# Altium PCB EDA-03517-V2-0_pcb.pcbdoc (part 3 of 5)
Units mm, origin at the board's own origin, x right, y up, seen from the top; angles counter-clockwise.
Board outline 220 x 264 mm, 8 copper layers (Top Layer, L2, L3, L4, L5, L6, L7, Bottom Layer), stack 2.18 mm thick; 439 components, 290 nets, 1011 pads, 273 vias.
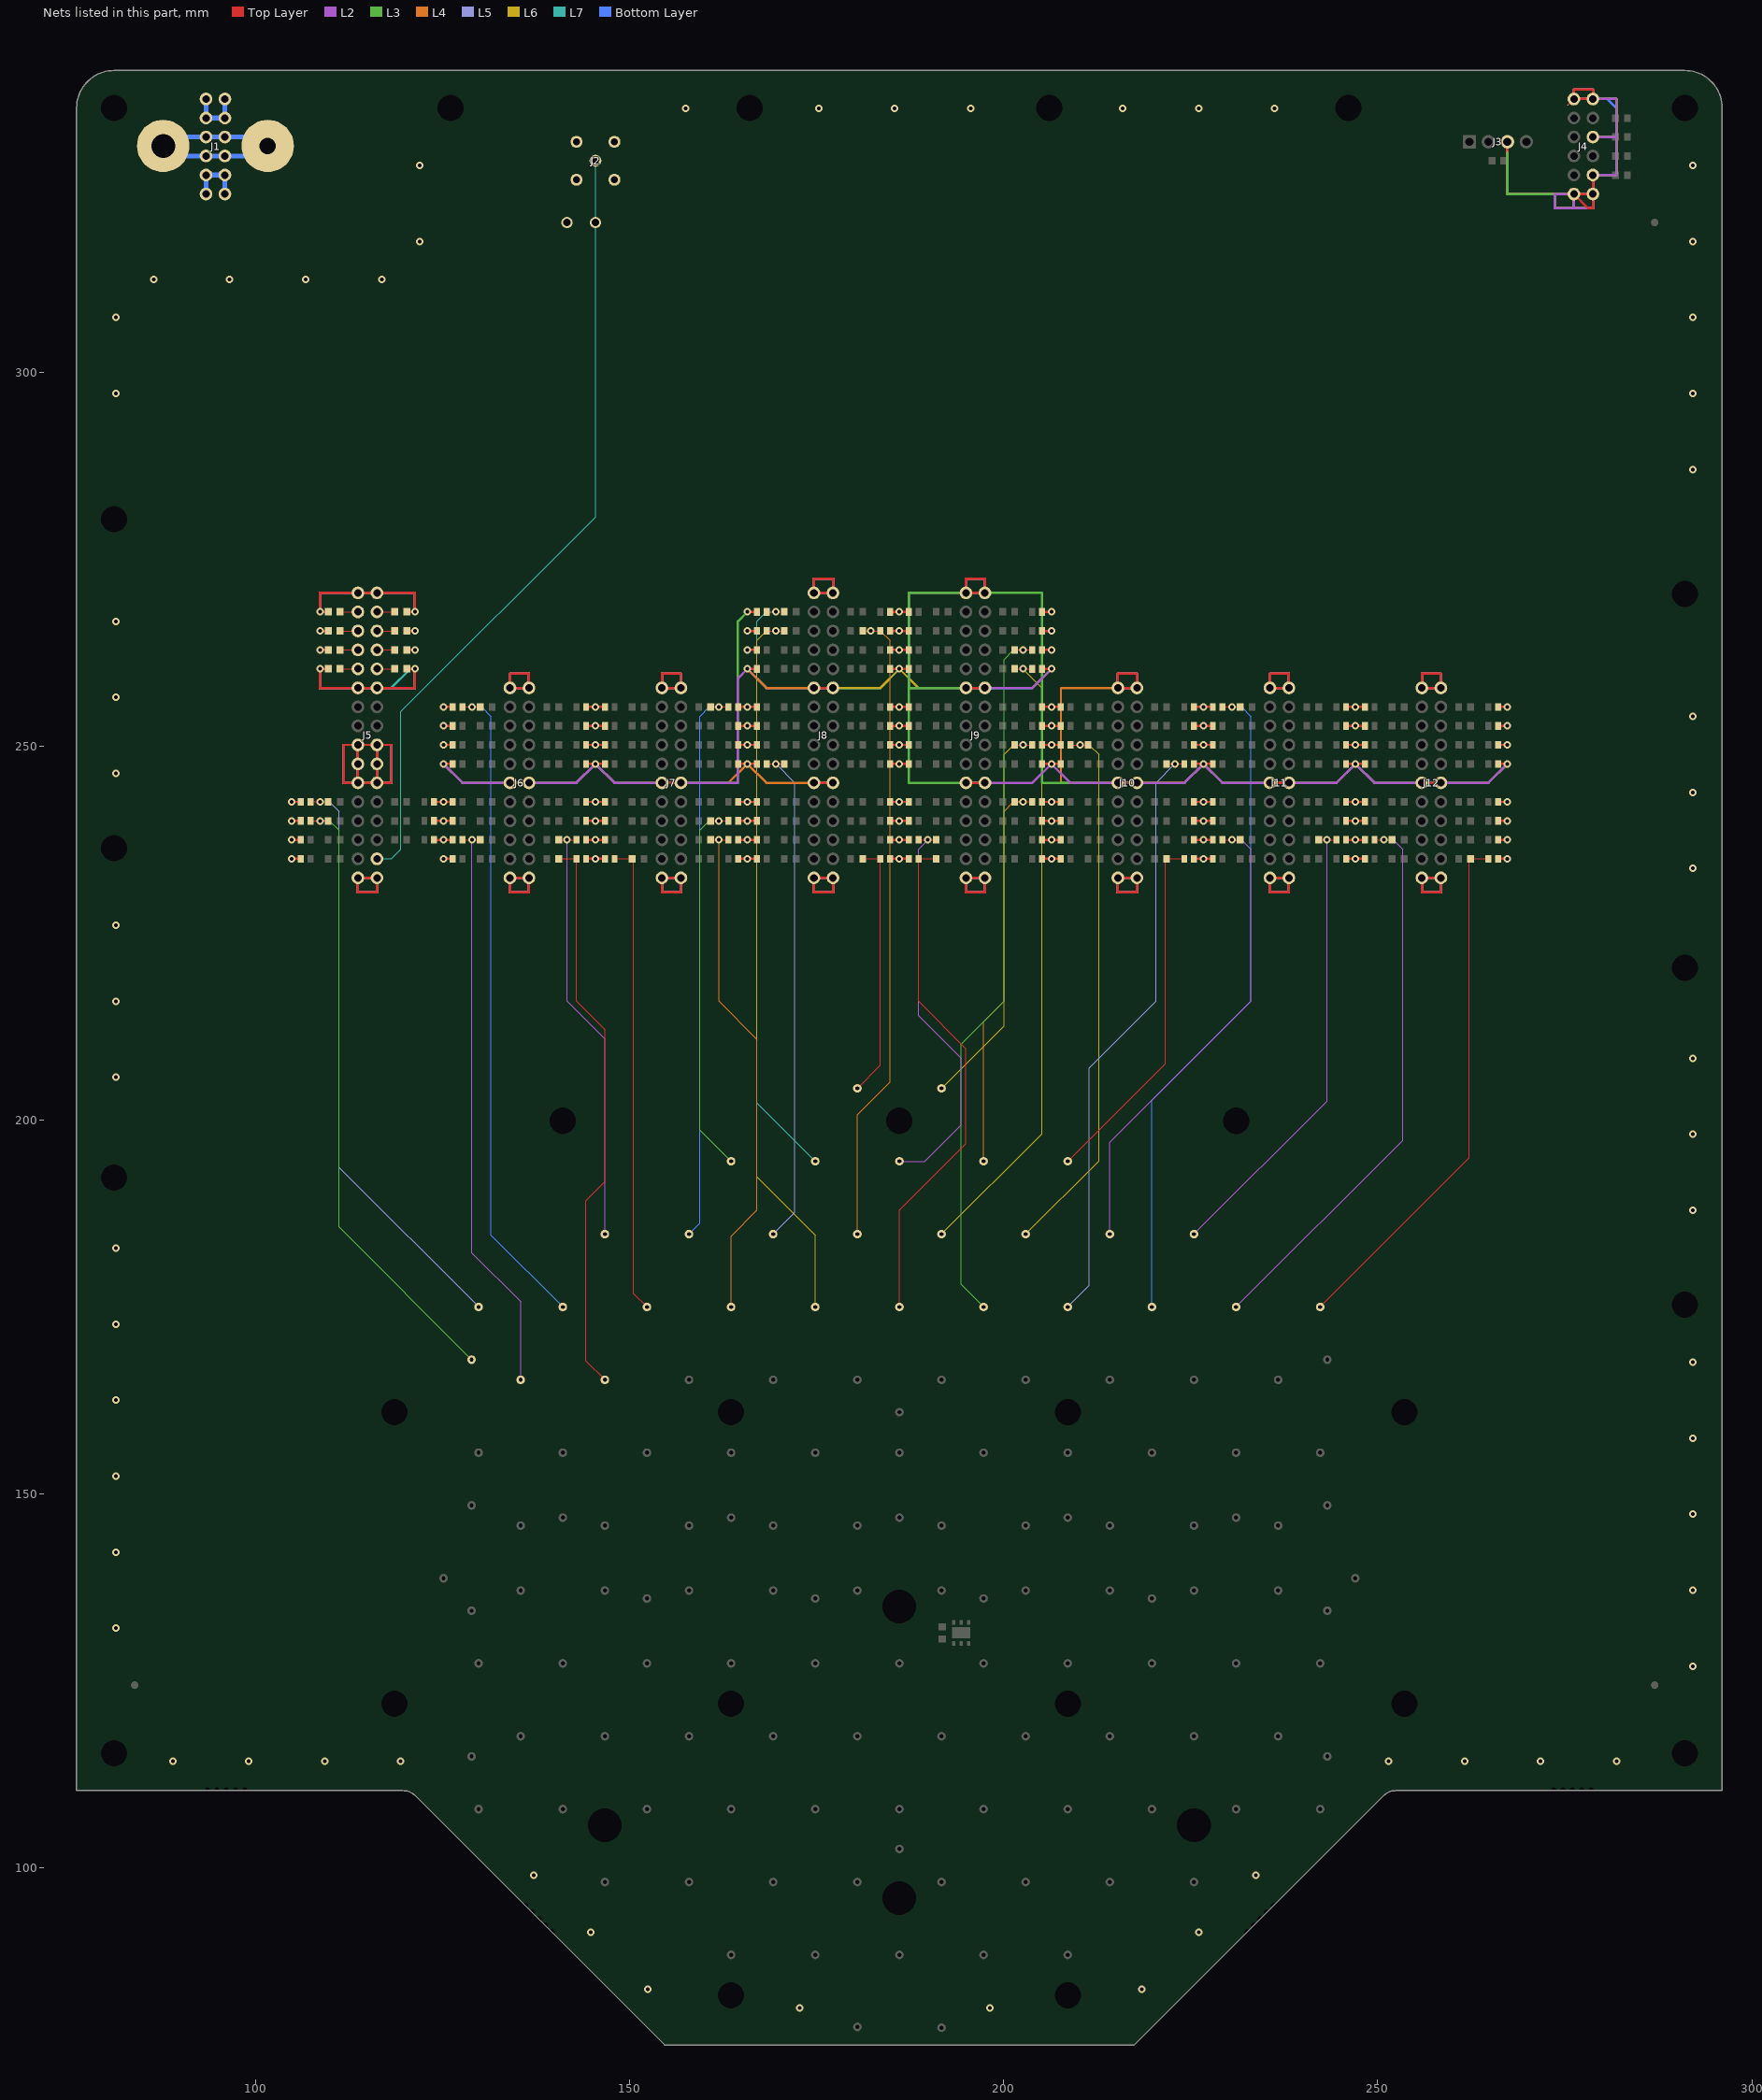
[diagram p9: the nets of this part, all layers, seen from the top]

## Via types
v1: diameter 1, hole 0.5, Top Layer to Bottom Layer, tented both sides, 273 vias

## Nets (pads, with @x,y where several pads share a name; then routed paths per layer and width w, separated by ;. In a path a pad name is that pad's centre, name@x,y a point inside that pad or via, vN(x,y) a via of type N, cw(c..) or ccw(c..) an arc to the next point about the centre after c; other vN are vias at no path point) (continued)
GND: B2.1 C2.2 C3.2 C4.2 C5.2 C6.2 C7.2 C8.2 C9.2 J2.2 J3.3 J4.1 J4.2 J4.3 J4.7 J4.11 J4.12 J5.1 J5.2 J5.11 J5.12 J5.13 J5.14 J5.15 J5.16 J5.21 J5.22 J5.31 J5.32 J6.1 J6.2 J6.11 J6.12 J6.21 J6.22 J7.1 J7.2 J7.11 J7.12 J7.21 J7.22 J8.1 J8.2 J8.11 J8.12 J8.21 J8.22 J8.31 J8.32 J9.1 J9.2 J9.11 J9.12 J9.21 J9.22 J9.31 J9.32 J10.1 J10.2 J10.11 J10.12 J10.21 J10.22 J11.1 J11.2 J11.11 J11.12 J11.21 J11.22 J12.1 J12.2 J12.11 J12.12 J12.21 J12.22 NT1.1 NT2.1 RB1.2 RB2.2 RB3.2 RB4.2 RB5.2 RB6.2 RB7.2 RB8.2 RB9.2 RB10.2 RB11.2 RB12.2 RB13.2 RB14.2 RB15.2 RB16.2 RB17.2 RB18.2 RB19.2 RB20.2 RB21.2 RB22.2 RB23.2 RB24.2 RB25.2 RB26.2 RB27.2 RB28.2 RB29.2 RB30.2 RB31.2 RB32.2 RB33.2 RB34.2 RB35.2 RB36.2 RB37.2 RB38.2 RB39.2 RB40.2 RB41.2 RB42.2 RB43.2 RB44.2 RB45.2 RB46.2 RB47.2 RB48.2 RB49.2 RB50.2 RB51.2 RB52.2 RB53.2 RB54.2 RB55.2 RB56.2 RB57.2 RB58.2 RB59.2 RB60.2 RB61.2 RB62.2 RB63.2 RB64.2 RB65.2 RB66.2 RB67.2 RB68.2 RB69.2 RB70.2 RB71.2 RB72.2 RB73.2 RB74.2 RB75.2 RB76.2 RB77.2 RB78.2 RB79.2 RB80.2 RB81.2 RB82.2 RB83.2 RB84.2 RB85.2 RB86.2 RB87.2 RB88.2 RB89.2 RB90.2 RB91.2 RB92.2 RB93.2 RB94.2 RB95.2 RB96.2 RB97.2 RB98.2 RB99.2 RB100.2 RB101.2 RB102.2 RB103.2 RB104.2 RB105.2 RB106.2 RB107.2 RB108.2 RB109.2 RB110.2 RB111.2 RB112.2 RB113.2 RB114.2 RB115.2 RB116.2 RB117.2 RB118.2 RB119.2 RB120.2 RB121.2 RB122.2 RB123.2 RB124.2 RB125.2 RB126.2 RB127.2 RB128.2 RB129.2 RB130.2 RB131.2 RB132.2 RB133.2 RB134.2 RB135.2 | length 2863.4
  Top Layer w0.152: NT1.1@275.41,335.735 J4.12@276.225,336.55
  Top Layer w0.305: v1(104.775,234.95) RB121.2@106.03,234.95 ; v1(104.775,237.49) RB105.2@106.03,237.49 ; v1(104.775,240.03) RB89.2@106.03,240.03 ; v1(104.775,242.57) RB73.2@106.03,242.57 ; v1(108.585,262.89) C6.2@109.69,262.89 ; v1(108.585,265.43) C4.2@109.69,265.43 ; C8.2@109.69,260.35 v1(108.585,260.35) 108.585,257.81 J5.22@113.665,257.81 J5.21@116.205,257.81 121.285,257.81 v1(121.285,260.35) C9.2@120.18,260.35 ; C2.2@109.69,267.97 v1(108.585,267.97) 108.585,270.51 J5.32@113.665,270.51 J5.31@116.205,270.51 121.285,270.51 v1(121.285,267.97) C3.2@120.18,267.97 ; C7.2@120.18,262.89 v1(121.285,262.89) ; C5.2@120.18,265.43 v1(121.285,265.43) ; RB106.2@123.84,237.49 v1(125.095,237.49) RB112.2@126.35,237.49 ; RB90.2@123.84,240.03 v1(125.095,240.03) RB96.2@126.35,240.03 ; RB74.2@123.84,242.57 v1(125.095,242.57) RB80.2@126.35,242.57 ; v1(125.095,234.95) RB127.2@126.35,234.95 ; v1(125.095,247.65) RB59.2@126.35,247.65 ; v1(125.095,250.19) RB45.2@126.35,250.19 ; v1(125.095,252.73) RB31.2@126.35,252.73 ; v1(125.095,255.27) RB17.2@126.35,255.27 ; J6.12@133.985,245.11 J6.11@136.525,245.11 ; RB122.2@144.16,234.95 v1(145.415,234.95) RB123.2@146.67,234.95 ; RB107.2@144.16,237.49 v1(145.415,237.49) RB108.2@146.67,237.49 ; RB91.2@144.16,240.03 v1(145.415,240.03) RB92.2@146.67,240.03 ; RB75.2@144.16,242.57 v1(145.415,242.57) RB76.2@146.67,242.57 ; RB60.2@144.16,247.65 v1(145.415,247.65) RB61.2@146.67,247.65 ; RB46.2@144.16,250.19 v1(145.415,250.19) RB47.2@146.67,250.19 ; RB32.2@144.16,252.73 v1(145.415,252.73) RB33.2@146.67,252.73 ; RB18.2@144.16,255.27 v1(145.415,255.27) RB19.2@146.67,255.27 ; J7.12@154.305,245.11 J7.11@156.845,245.11 ; RB128.2@164.48,234.95 v1(165.735,234.95) RB124.2@166.99,234.95 ; RB113.2@164.48,237.49 v1(165.735,237.49) RB109.2@166.99,237.49 ; RB97.2@164.48,240.03 v1(165.735,240.03) RB93.2@166.99,240.03 ; RB81.2@164.48,242.57 v1(165.735,242.57) RB77.2@166.99,242.57 ; RB62.2@164.48,247.65 v1(165.735,247.65) RB63.2@166.99,247.65 ; RB48.2@164.48,250.19 v1(165.735,250.19) RB49.2@166.99,250.19 ; RB34.2@164.48,252.73 v1(165.735,252.73) RB35.2@166.99,252.73 ; RB20.2@164.48,255.27 v1(165.735,255.27) RB21.2@166.99,255.27 ; v1(165.735,260.35) RB13.2@166.99,260.35 ; v1(165.735,262.89) RB9.2@166.99,262.89 ; v1(165.735,265.43) RB5.2@166.99,265.43 ; v1(165.735,267.97) RB1.2@166.99,267.97 ; J8.12@174.625,245.11 J8.11@177.165,245.11 ; J8.22@174.625,257.81 J8.21@177.165,257.81 ; RB125.2@184.8,234.95 v1(186.055,234.95) RB129.2@187.31,234.95 ; RB110.2@184.8,237.49 v1(186.055,237.49) RB114.2@187.31,237.49 ; RB94.2@184.8,240.03 v1(186.055,240.03) RB98.2@187.31,240.03 ; RB78.2@184.8,242.57 v1(186.055,242.57) RB82.2@187.31,242.57 ; RB64.2@184.8,247.65 v1(186.055,247.65) RB66.2@187.31,247.65 ; RB50.2@184.8,250.19 v1(186.055,250.19) RB52.2@187.31,250.19 ; RB36.2@184.8,252.73 v1(186.055,252.73) RB38.2@187.31,252.73 ; RB22.2@184.8,255.27 v1(186.055,255.27) RB24.2@187.31,255.27 ; RB14.2@184.8,260.35 v1(186.055,260.35) RB16.2@187.31,260.35 ; RB10.2@184.8,262.89 v1(186.055,262.89) RB12.2@187.31,262.89 ; RB6.2@184.8,265.43 v1(186.055,265.43) RB8.2@187.31,265.43 ; RB2.2@184.8,267.97 v1(186.055,267.97) RB4.2@187.31,267.97 ; J9.12@194.945,245.11 J9.11@197.485,245.11 ; J9.22@194.945,257.81 J9.21@197.485,257.81 ; RB126.2@205.12,234.95 v1(206.375,234.95) RB130.2@207.63,234.95 ; RB111.2@205.12,237.49 v1(206.375,237.49) RB115.2@207.63,237.49 ; RB95.2@205.12,240.03 v1(206.375,240.03) RB99.2@207.63,240.03 ; RB79.2@205.12,242.57 v1(206.375,242.57) RB83.2@207.63,242.57 ; RB65.2@205.12,247.65 v1(206.375,247.65) RB67.2@207.63,247.65 ; RB51.2@205.12,250.19 v1(206.375,250.19) RB53.2@207.63,250.19 ; RB37.2@205.12,252.73 v1(206.375,252.73) RB39.2@207.63,252.73 ; RB23.2@205.12,255.27 v1(206.375,255.27) RB25.2@207.63,255.27 ; RB15.2@205.12,260.35 v1(206.375,260.35) ; RB11.2@205.12,262.89 v1(206.375,262.89) ; RB7.2@205.12,265.43 v1(206.375,265.43) ; RB3.2@205.12,267.97 v1(206.375,267.97) ; J10.12@215.265,245.11 J10.11@217.805,245.11 ; RB131.2@225.44,234.95 v1(226.695,234.95) RB132.2@227.95,234.95 ; RB116.2@225.44,237.49 v1(226.695,237.49) RB117.2@227.95,237.49 ; RB100.2@225.44,240.03 v1(226.695,240.03) RB101.2@227.95,240.03 ; RB84.2@225.44,242.57 v1(226.695,242.57) RB85.2@227.95,242.57 ; RB68.2@225.44,247.65 RB69.2@227.95,247.65 ; RB54.2@225.44,250.19 RB55.2@227.95,250.19 ; RB40.2@225.44,252.73 v1(226.695,252.73) RB41.2@227.95,252.73 ; RB26.2@225.44,255.27 v1(226.695,255.27) RB27.2@227.95,255.27 ; J11.12@235.585,245.11 J11.11@238.125,245.11 ; RB118.2@245.76,237.49 v1(247.015,237.49) RB119.2@248.27,237.49 ; RB102.2@245.76,240.03 v1(247.015,240.03) RB103.2@248.27,240.03 ; RB86.2@245.76,242.57 v1(247.015,242.57) RB87.2@248.27,242.57 ; RB70.2@245.76,247.65 v1(247.015,247.65) RB71.2@248.27,247.65 ; RB56.2@245.76,250.19 v1(247.015,250.19) RB57.2@248.27,250.19 ; RB42.2@245.76,252.73 v1(247.015,252.73) RB43.2@248.27,252.73 ; RB28.2@245.76,255.27 v1(247.015,255.27) RB29.2@248.27,255.27 ; RB133.2@245.775,234.95 v1(247.015,234.95) RB134.2@248.27,234.95 ; J12.12@255.905,245.11 J12.11@258.445,245.11 ; RB135.2@266.08,234.95 v1(267.335,234.95) ; RB120.2@266.08,237.49 v1(267.335,237.49) ; RB104.2@266.08,240.03 v1(267.335,240.03) ; RB88.2@266.08,242.57 v1(267.335,242.57) ; RB72.2@266.08,247.65 v1(267.335,247.65) ; RB58.2@266.08,250.19 v1(267.335,250.19) ; RB44.2@266.08,252.73 v1(267.335,252.73) ; RB30.2@266.08,255.27 v1(267.335,255.27) ; NT2.1@267.335,329.565 J3.3@267.335,330.835 ; J4.3@278.765,326.39 J4.1@278.765,323.85 ; J5.12@113.665,245.11 J5.14@113.665,247.65 J5.16@113.665,250.19 ; J5.12@113.665,245.11 111.76,245.11 111.76,250.19 J5.16@113.665,250.19 ; J5.12@113.665,245.11 J5.11@116.205,245.11 ; J5.16@113.665,250.19 J5.15@116.205,250.19 ; J5.11@116.205,245.11 J5.13@116.205,247.65 J5.15@116.205,250.19 ; J5.11@116.205,245.11 118.11,245.11 118.11,250.19 J5.15@116.205,250.19 ; J4.1@278.765,323.85 278.765,321.945 278.13,321.945 J4.2@276.225,323.85 J4.1@278.765,323.85 ; 113.665,230.505 116.205,230.505 J5.1@116.205,232.41 J5.2@113.665,232.41 113.665,230.505 ; 133.985,230.505 136.525,230.505 J6.1@136.525,232.41 J6.2@133.985,232.41 133.985,230.505 ; J6.22@133.985,257.81 133.985,259.715 136.525,259.715 J6.21@136.525,257.81 J6.22@133.985,257.81 ; 154.305,230.505 156.845,230.505 J7.1@156.845,232.41 J7.2@154.305,232.41 154.305,230.505 ; J7.22@154.305,257.81 154.305,259.715 156.845,259.715 J7.21@156.845,257.81 J7.22@154.305,257.81 ; 174.625,230.505 177.165,230.505 J8.1@177.165,232.41 J8.2@174.625,232.41 174.625,230.505 ; J8.32@174.625,270.51 174.625,272.415 177.165,272.415 J8.31@177.165,270.51 J8.32@174.625,270.51 ; 194.945,230.505 197.485,230.505 J9.1@197.485,232.41 J9.2@194.945,232.41 194.945,230.505 ; J9.32@194.945,270.51 194.945,272.415 197.485,272.415 J9.31@197.485,270.51 J9.32@194.945,270.51 ; 215.265,230.505 217.805,230.505 J10.1@217.805,232.41 J10.2@215.265,232.41 215.265,230.505 ; J10.22@215.265,257.81 215.265,259.715 217.805,259.715 J10.21@217.805,257.81 J10.22@215.265,257.81 ; 235.585,230.505 238.125,230.505 J11.1@238.125,232.41 J11.2@235.585,232.41 235.585,230.505 ; J11.22@235.585,257.81 235.585,259.715 238.125,259.715 J11.21@238.125,257.81 J11.22@235.585,257.81 ; 255.905,230.505 258.445,230.505 J12.1@258.445,232.41 J12.2@255.905,232.41 255.905,230.505 ; J12.22@255.905,257.81 255.905,259.715 258.445,259.715 J12.21@258.445,257.81 J12.22@255.905,257.81 ; J4.12@276.225,336.55 276.225,337.82 278.765,337.82 J4.11@278.765,336.55 J4.12@276.225,336.55
  L2 w0.305: v1(108.585,260.35) 108.585,257.81 J5.22@113.665,257.81 J5.21@116.205,257.81 121.285,257.81 v1(121.285,260.35) ; v1(108.585,267.97) 108.585,270.51 J5.32@113.665,270.51 J5.31@116.205,270.51 121.285,270.51 v1(121.285,267.97) ; v1(125.095,247.65) 127.635,245.11 142.875,245.11 v1(145.415,247.65) 147.955,245.11 J7.12@154.305,245.11 J7.11@156.845,245.11 164.465,245.11 164.465,259.08 v1(165.735,260.35) ; J8.12@174.625,245.11 J8.11@177.165,245.11 ; J8.22@174.625,257.81 J8.21@177.165,257.81 ; J9.12@194.945,245.11 203.835,245.11 v1(206.375,247.65) 208.915,245.11 224.155,245.11 v1(226.695,247.65) 229.235,245.11 J11.12@235.585,245.11 J11.11@238.125,245.11 244.475,245.11 v1(247.015,247.65) 249.555,245.11 J12.12@255.905,245.11 J12.11@258.445,245.11 264.795,245.11 v1(267.335,247.65) ; J9.22@194.945,257.81 203.835,257.81 v1(206.375,260.35) ; J4.7@278.765,331.47 281.94,331.47 ; J5.12@113.665,245.11 111.76,245.11 111.76,250.19 J5.16@113.665,250.19 ; J5.12@113.665,245.11 J5.14@113.665,247.65 J5.16@113.665,250.19 ; J5.12@113.665,245.11 J5.11@116.205,245.11 ; J5.16@113.665,250.19 J5.15@116.205,250.19 ; J5.11@116.205,245.11 118.11,245.11 118.11,250.19 J5.15@116.205,250.19 ; J5.11@116.205,245.11 J5.13@116.205,247.65 J5.15@116.205,250.19 ; 276.225,321.945 273.685,321.945 273.685,323.85 J4.2@276.225,323.85 ; 276.225,321.945 278.765,321.945 J4.1@278.765,323.85 ; 276.225,321.945 J4.2@276.225,323.85 ; J4.2@276.225,323.85 J4.1@278.765,323.85 ; J4.1@278.765,323.85 J4.3@278.765,326.39 281.94,326.39 281.94,331.47 ; J4.11@278.765,336.55 281.94,336.55 281.94,331.47 ; J4.11@278.765,336.55 278.765,337.82 276.225,337.82 J4.12@276.225,336.55 J4.11@278.765,336.55 ; 113.665,230.505 116.205,230.505 J5.1@116.205,232.41 J5.2@113.665,232.41 113.665,230.505 ; 133.985,230.505 136.525,230.505 J6.1@136.525,232.41 J6.2@133.985,232.41 133.985,230.505 ; J6.22@133.985,257.81 133.985,259.715 136.525,259.715 J6.21@136.525,257.81 J6.22@133.985,257.81 ; 154.305,230.505 156.845,230.505 J7.1@156.845,232.41 J7.2@154.305,232.41 154.305,230.505 ; J7.22@154.305,257.81 154.305,259.715 156.845,259.715 J7.21@156.845,257.81 J7.22@154.305,257.81 ; 174.625,230.505 177.165,230.505 J8.1@177.165,232.41 J8.2@174.625,232.41 174.625,230.505 ; J8.32@174.625,270.51 174.625,272.415 177.165,272.415 J8.31@177.165,270.51 J8.32@174.625,270.51 ; 194.945,230.505 197.485,230.505 J9.1@197.485,232.41 J9.2@194.945,232.41 194.945,230.505 ; J9.32@194.945,270.51 194.945,272.415 197.485,272.415 J9.31@197.485,270.51 J9.32@194.945,270.51 ; 215.265,230.505 217.805,230.505 J10.1@217.805,232.41 J10.2@215.265,232.41 215.265,230.505 ; J10.22@215.265,257.81 215.265,259.715 217.805,259.715 J10.21@217.805,257.81 J10.22@215.265,257.81 ; 235.585,230.505 238.125,230.505 J11.1@238.125,232.41 J11.2@235.585,232.41 235.585,230.505 ; J11.22@235.585,257.81 235.585,259.715 238.125,259.715 J11.21@238.125,257.81 J11.22@235.585,257.81 ; 255.905,230.505 258.445,230.505 J12.1@258.445,232.41 J12.2@255.905,232.41 255.905,230.505 ; J12.22@255.905,257.81 255.905,259.715 258.445,259.715 J12.21@258.445,257.81 J12.22@255.905,257.81
  L3 w0.305: v1(108.585,260.35) 108.585,257.81 J5.22@113.665,257.81 J5.21@116.205,257.81 121.285,257.81 v1(121.285,260.35) ; v1(108.585,267.97) 108.585,270.51 J5.32@113.665,270.51 J5.31@116.205,270.51 121.285,270.51 v1(121.285,267.97) ; v1(125.095,247.65) 127.635,245.11 142.875,245.11 v1(145.415,247.65) 147.955,245.11 J7.12@154.305,245.11 J7.11@156.845,245.11 164.465,245.11 164.465,266.7 v1(165.735,267.97) ; J8.12@174.625,245.11 J8.11@177.165,245.11 ; J8.22@174.625,257.81 J8.21@177.165,257.81 ; J9.11@197.485,245.11 187.325,245.11 187.325,257.81 ; J9.21@197.485,257.81 J9.22@194.945,257.81 187.325,257.81 ; J10.11@217.805,245.11 J10.12@215.265,245.11 205.105,245.11 205.105,270.51 J9.31@197.485,270.51 ; v1(226.695,247.65) 229.235,245.11 J11.12@235.585,245.11 J11.11@238.125,245.11 244.475,245.11 v1(247.015,247.65) 249.555,245.11 J12.12@255.905,245.11 J12.11@258.445,245.11 264.795,245.11 v1(267.335,247.65) ; J3.3@267.335,330.835 267.335,323.85 273.685,323.85 ; J4.7@278.765,331.47 281.94,331.47 ; J5.12@113.665,245.11 J5.11@116.205,245.11 ; J5.12@113.665,245.11 J5.14@113.665,247.65 J5.16@113.665,250.19 ; J5.12@113.665,245.11 111.76,245.11 111.76,250.19 J5.16@113.665,250.19 ; J5.16@113.665,250.19 J5.15@116.205,250.19 ; J5.11@116.205,245.11 118.11,245.11 118.11,250.19 J5.15@116.205,250.19 ; J5.11@116.205,245.11 J5.13@116.205,247.65 J5.15@116.205,250.19 ; 187.325,257.81 187.325,270.51 J9.32@194.945,270.51 ; J9.32@194.945,270.51 J9.31@197.485,270.51 ; J9.32@194.945,270.51 194.945,272.415 197.485,272.415 J9.31@197.485,270.51 ; 273.685,323.85 J4.2@276.225,323.85 ; 273.685,323.85 273.685,321.945 276.225,321.945 ; 276.225,321.945 J4.2@276.225,323.85 ; 276.225,321.945 278.765,321.945 J4.1@278.765,323.85 ; J4.2@276.225,323.85 J4.1@278.765,323.85 ; J4.1@278.765,323.85 J4.3@278.765,326.39 281.94,326.39 281.94,331.47 ; J4.11@278.765,336.55 278.765,337.82 276.225,337.82 J4.12@276.225,336.55 J4.11@278.765,336.55 ; J4.11@278.765,336.55 281.94,336.55 281.94,331.47 ; 113.665,230.505 116.205,230.505 J5.1@116.205,232.41 J5.2@113.665,232.41 113.665,230.505 ; 133.985,230.505 136.525,230.505 J6.1@136.525,232.41 J6.2@133.985,232.41 133.985,230.505 ; J6.22@133.985,257.81 J6.21@136.525,257.81 136.525,259.715 133.985,259.715 J6.22@133.985,257.81 ; 154.305,230.505 156.845,230.505 J7.1@156.845,232.41 J7.2@154.305,232.41 154.305,230.505 ; J7.22@154.305,257.81 J7.21@156.845,257.81 156.845,259.715 154.305,259.715 J7.22@154.305,257.81 ; 174.625,230.505 177.165,230.505 J8.1@177.165,232.41 J8.2@174.625,232.41 174.625,230.505 ; J8.32@174.625,270.51 J8.31@177.165,270.51 177.165,272.415 174.625,272.415 J8.32@174.625,270.51 ; 194.945,230.505 197.485,230.505 J9.1@197.485,232.41 J9.2@194.945,232.41 194.945,230.505 ; 215.265,230.505 217.805,230.505 J10.1@217.805,232.41 J10.2@215.265,232.41 215.265,230.505 ; J10.22@215.265,257.81 J10.21@217.805,257.81 217.805,259.715 215.265,259.715 J10.22@215.265,257.81 ; 235.585,230.505 238.125,230.505 J11.1@238.125,232.41 J11.2@235.585,232.41 235.585,230.505 ; J11.22@235.585,257.81 J11.21@238.125,257.81 238.125,259.715 235.585,259.715 J11.22@235.585,257.81 ; 255.905,230.505 258.445,230.505 J12.1@258.445,232.41 J12.2@255.905,232.41 255.905,230.505 ; J12.22@255.905,257.81 J12.21@258.445,257.81 258.445,259.715 255.905,259.715 J12.22@255.905,257.81
  L4 w0.305: v1(108.585,260.35) 108.585,257.81 J5.22@113.665,257.81 J5.21@116.205,257.81 121.285,257.81 v1(121.285,260.35) ; v1(108.585,267.97) 108.585,270.51 J5.32@113.665,270.51 J5.31@116.205,270.51 121.285,270.51 v1(121.285,267.97) ; v1(125.095,247.65) 127.635,245.11 J6.12@133.985,245.11 J6.11@136.525,245.11 142.875,245.11 v1(145.415,247.65) 147.955,245.11 J7.12@154.305,245.11 J7.11@156.845,245.11 163.195,245.11 v1(165.735,247.65) 168.275,245.11 J8.12@174.625,245.11 J8.11@177.165,245.11 ; v1(165.735,260.35) 168.275,257.81 J8.22@174.625,257.81 J8.21@177.165,257.81 ; J9.22@194.945,257.81 J9.21@197.485,257.81 ; v1(267.335,247.65) 264.795,245.11 J12.11@258.445,245.11 J12.12@255.905,245.11 249.555,245.11 v1(247.015,247.65) 244.475,245.11 J11.11@238.125,245.11 J11.12@235.585,245.11 229.235,245.11 v1(226.695,247.65) 224.155,245.11 J10.11@217.805,245.11 J10.12@215.265,245.11 207.645,245.11 207.645,257.81 J10.22@215.265,257.81 ; J3.3@267.335,330.835 267.335,323.85 273.685,323.85 ; J4.7@278.765,331.47 281.94,331.47 ; J5.12@113.665,245.11 111.76,245.11 111.76,250.19 J5.16@113.665,250.19 ; J5.12@113.665,245.11 J5.11@116.205,245.11 ; J5.12@113.665,245.11 J5.14@113.665,247.65 J5.16@113.665,250.19 ; J5.16@113.665,250.19 J5.15@116.205,250.19 ; J5.11@116.205,245.11 118.11,245.11 118.11,250.19 J5.15@116.205,250.19 ; J5.11@116.205,245.11 J5.13@116.205,247.65 J5.15@116.205,250.19 ; J10.22@215.265,257.81 J10.21@217.805,257.81 217.805,259.715 215.265,259.715 J10.22@215.265,257.81 ; 273.685,323.85 J4.2@276.225,323.85 ; 273.685,323.85 273.685,321.945 276.225,321.945 ; 276.225,321.945 J4.2@276.225,323.85 ; 276.225,321.945 278.765,321.945 J4.1@278.765,323.85 ; J4.2@276.225,323.85 J4.1@278.765,323.85 ; J4.1@278.765,323.85 J4.3@278.765,326.39 281.94,326.39 281.94,331.47 ; J4.11@278.765,336.55 281.94,336.55 281.94,331.47 ; J4.11@278.765,336.55 278.765,337.82 276.225,337.82 J4.12@276.225,336.55 J4.11@278.765,336.55 ; 113.665,230.505 116.205,230.505 J5.1@116.205,232.41 J5.2@113.665,232.41 113.665,230.505 ; 133.985,230.505 136.525,230.505 J6.1@136.525,232.41 J6.2@133.985,232.41 133.985,230.505 ; J6.22@133.985,257.81 J6.21@136.525,257.81 136.525,259.715 133.985,259.715 J6.22@133.985,257.81 ; 154.305,230.505 156.845,230.505 J7.1@156.845,232.41 J7.2@154.305,232.41 154.305,230.505 ; J7.22@154.305,257.81 J7.21@156.845,257.81 156.845,259.715 154.305,259.715 J7.22@154.305,257.81 ; 174.625,230.505 177.165,230.505 J8.1@177.165,232.41 J8.2@174.625,232.41 174.625,230.505 ; J8.32@174.625,270.51 J8.31@177.165,270.51 177.165,272.415 174.625,272.415 J8.32@174.625,270.51 ; 194.945,230.505 197.485,230.505 J9.1@197.485,232.41 J9.2@194.945,232.41 194.945,230.505 ; J9.32@194.945,270.51 J9.31@197.485,270.51 197.485,272.415 194.945,272.415 J9.32@194.945,270.51 ; 215.265,230.505 217.805,230.505 J10.1@217.805,232.41 J10.2@215.265,232.41 215.265,230.505 ; 235.585,230.505 238.125,230.505 J11.1@238.125,232.41 J11.2@235.585,232.41 235.585,230.505 ; J11.22@235.585,257.81 J11.21@238.125,257.81 238.125,259.715 235.585,259.715 J11.22@235.585,257.81 ; 255.905,230.505 258.445,230.505 J12.1@258.445,232.41 J12.2@255.905,232.41 255.905,230.505 ; J12.22@255.905,257.81 J12.21@258.445,257.81 258.445,259.715 255.905,259.715 J12.22@255.905,257.81
  L5 w0.305: v1(108.585,260.35) 108.585,257.81 J5.22@113.665,257.81 J5.21@116.205,257.81 121.285,257.81 v1(121.285,260.35) ; v1(108.585,267.97) 108.585,270.51 J5.32@113.665,270.51 J5.31@116.205,270.51 121.285,270.51 v1(121.285,267.97) ; J6.12@133.985,245.11 J6.11@136.525,245.11 ; J7.12@154.305,245.11 J7.11@156.845,245.11 ; v1(165.735,260.35) 168.275,257.81 J8.22@174.625,257.81 J8.21@177.165,257.81 ; J8.12@174.625,245.11 J8.11@177.165,245.11 ; J9.21@197.485,257.81 J9.22@194.945,257.81 187.325,257.81 187.325,270.51 J9.32@194.945,270.51 ; J10.12@215.265,245.11 J10.11@217.805,245.11 ; J11.12@235.585,245.11 J11.11@238.125,245.11 ; J12.12@255.905,245.11 J12.11@258.445,245.11 ; J3.3@267.335,330.835 267.335,323.85 273.685,323.85 ; J4.7@278.765,331.47 281.94,331.47 ; J5.12@113.665,245.11 J5.14@113.665,247.65 J5.16@113.665,250.19 ; J5.12@113.665,245.11 111.76,245.11 111.76,250.19 J5.16@113.665,250.19 ; J5.12@113.665,245.11 J5.11@116.205,245.11 ; J5.16@113.665,250.19 J5.15@116.205,250.19 ; J5.11@116.205,245.11 J5.13@116.205,247.65 J5.15@116.205,250.19 ; J5.11@116.205,245.11 118.11,245.11 118.11,250.19 J5.15@116.205,250.19 ; J9.32@194.945,270.51 194.945,272.415 197.485,272.415 J9.31@197.485,270.51 J9.32@194.945,270.51 ; 273.685,323.85 J4.2@276.225,323.85 ; 273.685,323.85 273.685,321.945 276.225,321.945 ; 276.225,321.945 J4.2@276.225,323.85 ; 276.225,321.945 278.765,321.945 J4.1@278.765,323.85 ; J4.2@276.225,323.85 J4.1@278.765,323.85 ; J4.1@278.765,323.85 J4.3@278.765,326.39 281.94,326.39 281.94,331.47 ; J4.11@278.765,336.55 278.765,337.82 276.225,337.82 J4.12@276.225,336.55 J4.11@278.765,336.55 ; J4.11@278.765,336.55 281.94,336.55 281.94,331.47 ; 113.665,230.505 J5.2@113.665,232.41 J5.1@116.205,232.41 116.205,230.505 113.665,230.505 ; 133.985,230.505 J6.2@133.985,232.41 J6.1@136.525,232.41 136.525,230.505 133.985,230.505 ; J6.22@133.985,257.81 133.985,259.715 136.525,259.715 J6.21@136.525,257.81 J6.22@133.985,257.81 ; 154.305,230.505 J7.2@154.305,232.41 J7.1@156.845,232.41 156.845,230.505 154.305,230.505 ; J7.22@154.305,257.81 154.305,259.715 156.845,259.715 J7.21@156.845,257.81 J7.22@154.305,257.81 ; 174.625,230.505 J8.2@174.625,232.41 J8.1@177.165,232.41 177.165,230.505 174.625,230.505 ; J8.32@174.625,270.51 174.625,272.415 177.165,272.415 J8.31@177.165,270.51 J8.32@174.625,270.51 ; 194.945,230.505 J9.2@194.945,232.41 J9.1@197.485,232.41 197.485,230.505 194.945,230.505 ; 215.265,230.505 J10.2@215.265,232.41 J10.1@217.805,232.41 217.805,230.505 215.265,230.505 ; J10.22@215.265,257.81 215.265,259.715 217.805,259.715 J10.21@217.805,257.81 J10.22@215.265,257.81 ; 235.585,230.505 J11.2@235.585,232.41 J11.1@238.125,232.41 238.125,230.505 235.585,230.505 ; J11.22@235.585,257.81 235.585,259.715 238.125,259.715 J11.21@238.125,257.81 J11.22@235.585,257.81 ; 255.905,230.505 J12.2@255.905,232.41 J12.1@258.445,232.41 258.445,230.505 255.905,230.505 ; J12.22@255.905,257.81 255.905,259.715 258.445,259.715 J12.21@258.445,257.81 J12.22@255.905,257.81
  L6 w0.305: v1(108.585,260.35) 108.585,257.81 J5.22@113.665,257.81 J5.21@116.205,257.81 121.285,257.81 v1(121.285,260.35) ; v1(108.585,267.97) 108.585,270.51 J5.32@113.665,270.51 J5.31@116.205,270.51 121.285,270.51 v1(121.285,267.97) ; J6.12@133.985,245.11 J6.11@136.525,245.11 ; J7.12@154.305,245.11 J7.11@156.845,245.11 ; J8.12@174.625,245.11 J8.11@177.165,245.11 ; J8.22@174.625,257.81 J8.21@177.165,257.81 183.515,257.81 v1(186.055,260.35) 188.595,257.81 J9.22@194.945,257.81 J9.21@197.485,257.81 ; J10.12@215.265,245.11 J10.11@217.805,245.11 ; J11.12@235.585,245.11 J11.11@238.125,245.11 ; J12.12@255.905,245.11 J12.11@258.445,245.11 ; J3.3@267.335,330.835 267.335,323.85 273.685,323.85 ; J4.7@278.765,331.47 281.94,331.47 ; J5.12@113.665,245.11 J5.14@113.665,247.65 J5.16@113.665,250.19 ; J5.12@113.665,245.11 111.76,245.11 111.76,250.19 J5.16@113.665,250.19 ; J5.12@113.665,245.11 J5.11@116.205,245.11 ; J5.16@113.665,250.19 J5.15@116.205,250.19 ; J5.11@116.205,245.11 J5.13@116.205,247.65 J5.15@116.205,250.19 ; J5.11@116.205,245.11 118.11,245.11 118.11,250.19 J5.15@116.205,250.19 ; 273.685,323.85 J4.2@276.225,323.85 ; 273.685,323.85 273.685,321.945 276.225,321.945 ; 276.225,321.945 J4.2@276.225,323.85 ; 276.225,321.945 278.765,321.945 J4.1@278.765,323.85 ; J4.2@276.225,323.85 J4.1@278.765,323.85 ; J4.1@278.765,323.85 J4.3@278.765,326.39 281.94,326.39 281.94,331.47 ; J4.11@278.765,336.55 278.765,337.82 276.225,337.82 J4.12@276.225,336.55 J4.11@278.765,336.55 ; J4.11@278.765,336.55 281.94,336.55 281.94,331.47 ; 113.665,230.505 J5.2@113.665,232.41 J5.1@116.205,232.41 116.205,230.505 113.665,230.505 ; 133.985,230.505 J6.2@133.985,232.41 J6.1@136.525,232.41 136.525,230.505 133.985,230.505 ; J6.22@133.985,257.81 133.985,259.715 136.525,259.715 J6.21@136.525,257.81 J6.22@133.985,257.81 ; 154.305,230.505 J7.2@154.305,232.41 J7.1@156.845,232.41 156.845,230.505 154.305,230.505 ; J7.22@154.305,257.81 154.305,259.715 156.845,259.715 J7.21@156.845,257.81 J7.22@154.305,257.81 ; 174.625,230.505 J8.2@174.625,232.41 J8.1@177.165,232.41 177.165,230.505 174.625,230.505 ; J8.32@174.625,270.51 174.625,272.415 177.165,272.415 J8.31@177.165,270.51 J8.32@174.625,270.51 ; 194.945,230.505 J9.2@194.945,232.41 J9.1@197.485,232.41 197.485,230.505 194.945,230.505 ; J9.32@194.945,270.51 194.945,272.415 197.485,272.415 J9.31@197.485,270.51 J9.32@194.945,270.51 ; 215.265,230.505 J10.2@215.265,232.41 J10.1@217.805,232.41 217.805,230.505 215.265,230.505 ; J10.22@215.265,257.81 215.265,259.715 217.805,259.715 J10.21@217.805,257.81 J10.22@215.265,257.81 ; 235.585,230.505 J11.2@235.585,232.41 J11.1@238.125,232.41 238.125,230.505 235.585,230.505 ; J11.22@235.585,257.81 235.585,259.715 238.125,259.715 J11.21@238.125,257.81 J11.22@235.585,257.81 ; 255.905,230.505 J12.2@255.905,232.41 J12.1@258.445,232.41 258.445,230.505 255.905,230.505 ; J12.22@255.905,257.81 255.905,259.715 258.445,259.715 J12.21@258.445,257.81 J12.22@255.905,257.81
  L7 w0.305: v1(108.585,260.35) 108.585,257.81 J5.22@113.665,257.81 J5.21@116.205,257.81 118.11,257.81 120.65,260.35 v1(121.285,260.35) ; v1(108.585,267.97) 108.585,270.51 J5.32@113.665,270.51 J5.31@116.205,270.51 121.285,270.51 v1(121.285,267.97) ; J6.12@133.985,245.11 J6.11@136.525,245.11 ; J7.12@154.305,245.11 J7.11@156.845,245.11 ; J8.12@174.625,245.11 J8.11@177.165,245.11 ; J8.22@174.625,257.81 J8.21@177.165,257.81 183.515,257.81 v1(186.055,260.35) ; J9.22@194.945,257.81 J9.21@197.485,257.81 203.835,257.81 v1(206.375,260.35) ; J10.12@215.265,245.11 J10.11@217.805,245.11 ; J11.12@235.585,245.11 J11.11@238.125,245.11 ; J12.12@255.905,245.11 J12.11@258.445,245.11 ; J3.3@267.335,330.835 267.335,323.85 273.685,323.85 ; J4.7@278.765,331.47 281.94,331.47 ; J5.12@113.665,245.11 J5.14@113.665,247.65 J5.16@113.665,250.19 ; J5.12@113.665,245.11 111.76,245.11 111.76,250.19 J5.16@113.665,250.19 ; J5.12@113.665,245.11 J5.11@116.205,245.11 J5.13@116.205,247.65 J5.15@116.205,250.19 J5.16@113.665,250.19 ; 273.685,323.85 J4.2@276.225,323.85 ; 273.685,323.85 273.685,321.945 276.225,321.945 ; 276.225,321.945 J4.2@276.225,323.85 ; 276.225,321.945 278.765,321.945 J4.1@278.765,323.85 ; J4.2@276.225,323.85 J4.1@278.765,323.85 ; J4.1@278.765,323.85 J4.3@278.765,326.39 281.94,326.39 281.94,331.47 ; J4.11@278.765,336.55 281.94,336.55 281.94,331.47 ; J4.11@278.765,336.55 278.765,337.82 276.225,337.82 J4.12@276.225,336.55 J4.11@278.765,336.55 ; 113.665,230.505 J5.2@113.665,232.41 J5.1@116.205,232.41 116.205,230.505 113.665,230.505 ; 133.985,230.505 J6.2@133.985,232.41 J6.1@136.525,232.41 136.525,230.505 133.985,230.505 ; J6.22@133.985,257.81 133.985,259.715 136.525,259.715 J6.21@136.525,257.81 J6.22@133.985,257.81 ; 154.305,230.505 J7.2@154.305,232.41 J7.1@156.845,232.41 156.845,230.505 154.305,230.505 ; J7.22@154.305,257.81 154.305,259.715 156.845,259.715 J7.21@156.845,257.81 J7.22@154.305,257.81 ; 174.625,230.505 J8.2@174.625,232.41 J8.1@177.165,232.41 177.165,230.505 174.625,230.505 ; J8.32@174.625,270.51 174.625,272.415 177.165,272.415 J8.31@177.165,270.51 J8.32@174.625,270.51 ; 194.945,230.505 J9.2@194.945,232.41 J9.1@197.485,232.41 197.485,230.505 194.945,230.505 ; J9.32@194.945,270.51 194.945,272.415 197.485,272.415 J9.31@197.485,270.51 J9.32@194.945,270.51 ; 215.265,230.505 J10.2@215.265,232.41 J10.1@217.805,232.41 217.805,230.505 215.265,230.505 ; J10.22@215.265,257.81 215.265,259.715 217.805,259.715 J10.21@217.805,257.81 J10.22@215.265,257.81 ; 235.585,230.505 J11.2@235.585,232.41 J11.1@238.125,232.41 238.125,230.505 235.585,230.505 ; J11.22@235.585,257.81 235.585,259.715 238.125,259.715 J11.21@238.125,257.81 J11.22@235.585,257.81 ; 255.905,230.505 J12.2@255.905,232.41 J12.1@258.445,232.41 258.445,230.505 255.905,230.505 ; J12.22@255.905,257.81 255.905,259.715 258.445,259.715 J12.21@258.445,257.81 J12.22@255.905,257.81
  Bottom Layer w0.305: v1(108.585,260.35) 108.585,257.81 J5.22@113.665,257.81 J5.21@116.205,257.81 121.285,257.81 v1(121.285,260.35) ; v1(108.585,267.97) 108.585,270.51 J5.32@113.665,270.51 J5.31@116.205,270.51 121.285,270.51 v1(121.285,267.97) ; J6.2@133.985,232.41 J6.1@136.525,232.41 ; J6.12@133.985,245.11 J6.11@136.525,245.11 ; J7.2@154.305,232.41 J7.1@156.845,232.41 ; J7.12@154.305,245.11 J7.11@156.845,245.11 ; J8.2@174.625,232.41 J8.1@177.165,232.41 ; J8.12@174.625,245.11 J8.11@177.165,245.11 ; J8.22@174.625,257.81 J8.21@177.165,257.81 ; J9.2@194.945,232.41 J9.1@197.485,232.41 ; J9.22@194.945,257.81 J9.21@197.485,257.81 ; J10.2@215.265,232.41 J10.1@217.805,232.41 ; J10.12@215.265,245.11 J10.11@217.805,245.11 ; J11.2@235.585,232.41 J11.1@238.125,232.41 ; J11.12@235.585,245.11 J11.11@238.125,245.11 ; J12.2@255.905,232.41 J12.1@258.445,232.41 ; J12.12@255.905,245.11 J12.11@258.445,245.11 ; J3.3@267.335,330.835 267.335,323.85 273.685,323.85 ; J4.12@276.225,336.55 J4.11@278.765,336.55 280.67,336.55 281.94,335.28 281.94,331.47 ; J4.7@278.765,331.47 281.94,331.47 ; J5.12@113.665,245.11 J5.14@113.665,247.65 J5.16@113.665,250.19 ; J5.12@113.665,245.11 111.76,245.11 111.76,250.19 J5.16@113.665,250.19 ; J5.12@113.665,245.11 J5.11@116.205,245.11 ; J5.16@113.665,250.19 J5.15@116.205,250.19 ; J5.11@116.205,245.11 J5.13@116.205,247.65 J5.15@116.205,250.19 ; J5.11@116.205,245.11 118.11,245.11 118.11,250.19 J5.15@116.205,250.19 ; 273.685,323.85 J4.2@276.225,323.85 ; 273.685,323.85 273.685,321.945 276.225,321.945 ; 276.225,321.945 J4.2@276.225,323.85 ; 276.225,321.945 278.765,321.945 J4.1@278.765,323.85 ; J4.2@276.225,323.85 J4.1@278.765,323.85 ; J4.1@278.765,323.85 J4.3@278.765,326.39 281.94,326.39 281.94,331.47 ; 113.665,230.505 J5.2@113.665,232.41 J5.1@116.205,232.41 116.205,230.505 113.665,230.505 ; J6.22@133.985,257.81 133.985,259.715 136.525,259.715 J6.21@136.525,257.81 J6.22@133.985,257.81 ; J7.22@154.305,257.81 154.305,259.715 156.845,259.715 J7.21@156.845,257.81 J7.22@154.305,257.81 ; J8.32@174.625,270.51 174.625,272.415 177.165,272.415 J8.31@177.165,270.51 J8.32@174.625,270.51 ; J9.32@194.945,270.51 194.945,272.415 197.485,272.415 J9.31@197.485,270.51 J9.32@194.945,270.51 ; J10.22@215.265,257.81 215.265,259.715 217.805,259.715 J10.21@217.805,257.81 J10.22@215.265,257.81 ; J11.22@235.585,257.81 235.585,259.715 238.125,259.715 J11.21@238.125,257.81 J11.22@235.585,257.81 ; J12.22@255.905,257.81 255.905,259.715 258.445,259.715 J12.21@258.445,257.81 J12.22@255.905,257.81
  other v1: 172.72,81.28 198.12,81.28 152.4,83.82 218.44,83.82 144.78,91.44 226.06,91.44 137.16,99.06 233.68,99.06 88.9,114.3 99.06,114.3 109.22,114.3 119.38,114.3 251.46,114.3 261.62,114.3 271.78,114.3 281.94,114.3 292.1,127 81.28,132.08 292.1,137.16 81.28,142.24 292.1,147.32 81.28,152.4 292.1,157.48 81.28,162.56 292.1,167.64 81.28,172.72 81.28,182.88 292.1,187.96 292.1,198.12 81.28,205.74 292.1,208.28 81.28,215.9 81.28,226.06 292.1,233.68 292.1,243.84 81.28,246.38 226.695,250.19 292.1,254 81.28,256.54 81.28,266.7 292.1,287.02 81.28,297.18 292.1,297.18 81.28,307.34 292.1,307.34 86.36,312.42 96.52,312.42 106.68,312.42 116.84,312.42 121.92,317.5 292.1,317.5 121.92,327.66 292.1,327.66 157.48,335.28 175.26,335.28 185.42,335.28 195.58,335.28 215.9,335.28 226.06,335.28 236.22,335.28
HV: J1.5 J1.6 J1.7 J1.8 pad.P28 pad.P29 | length 30
  Bottom Layer w0.635: pad.P29@87.63,330.282 88.982,328.93 J1.6@93.345,328.93 J1.5@95.885,328.93 100.248,328.93 pad.P28@101.6,330.282 100.412,331.47 J1.7@95.885,331.47 J1.8@93.345,331.47 88.818,331.47 pad.P29@87.63,330.282
HVSH1: J1.9 J1.10 J1.11 J1.12 | length 7.6
  Bottom Layer w0.635: J1.12@93.345,336.55 J1.10@93.345,334.01 J1.9@95.885,334.01 J1.11@95.885,336.55
HVSH2: J1.1 J1.2 J1.3 J1.4 | length 7.6
  Bottom Layer w0.635: J1.2@93.345,323.85 J1.4@93.345,326.39 J1.3@95.885,326.39 J1.1@95.885,323.85
NetB1_1: B1.1 J2.1 J5.3 | length 106.6
  L7 w0.152: J5.3@116.205,234.95 118.11,234.95 119.38,236.22 119.38,254.635 145.415,280.67 B1.1@145.415,320.04 J2.1@145.415,328.295
NetC2_1: C2.1 J5.30 | length 2.4
  Top Layer w0.152: C2.1@111.29,267.97 J5.30@113.665,267.97
NetC3_1: C3.1 J5.29 | length 2.4
  Top Layer w0.152: J5.29@116.205,267.97 C3.1@118.58,267.97
NetC4_1: C4.1 J5.28 | length 2.4
  Top Layer w0.152: C4.1@111.29,265.43 J5.28@113.665,265.43
NetC5_1: C5.1 J5.27 | length 2.4
  Top Layer w0.152: J5.27@116.205,265.43 C5.1@118.58,265.43
NetC6_1: C6.1 J5.26 | length 2.4
  Top Layer w0.152: C6.1@111.29,262.89 J5.26@113.665,262.89
NetC7_1: C7.1 J5.25 | length 2.4
  Top Layer w0.152: J5.25@116.205,262.89 C7.1@118.58,262.89
NetC8_1: C8.1 J5.24 | length 2.4
  Top Layer w0.152: C8.1@111.29,260.35 J5.24@113.665,260.35
NetC9_1: C9.1 J5.23 | length 2.4
  Top Layer w0.152: J5.23@116.205,260.35 C9.1@118.58,260.35
NetPP1_1: PP1.1 RB125.1 RS125.1 | length 34.3
  Top Layer w0.152: PP1.1@180.429,204.261 183.515,207.347 183.515,234.935 RB125.1@183.5,234.95 RS125.1@181.14,234.95
NetPP2_1: PP2.1 RB51.1 RS51.1 | length 53.5
  Top Layer w0.152: RS51.1@201.46,250.19 RB51.1@203.82,250.19
  L6 w0.152: PP2.1@191.681,204.261 200.025,212.605 200.025,248.92 201.295,250.19 v1(202.565,250.19)
NetPP3_1: PP3.1 RB97.1 RS97.1 | length 51.4
  Top Layer w0.152: RS97.1@160.82,240.03 RB97.1@163.18,240.03
  L3 w0.152: v1(161.925,240.03) 160.655,240.03 159.385,238.76 159.385,198.682 PP3.1@163.551,194.516
NetPP4_1: PP4.1 RB1.1 RS1.1 | length 80.8
  Top Layer w0.152: RB1.1@168.29,267.97 v1(169.545,267.97) RS1.1@170.65,267.97
  L7 w0.152: v1(169.545,267.97) 168.275,267.97 167.005,266.7 167.005,202.314 PP4.1@174.803,194.516
NetPP5_1: PP5.1 RB114.1 RS114.1 | length 53.6
  Top Layer w0.152: RB114.1@188.61,237.49 v1(189.865,237.49) RS114.1@190.97,237.49
  L2 w0.152: PP5.1@186.055,194.516 189.436,194.516 194.31,199.39 194.31,208.28 188.595,213.995 188.595,236.22 v1(189.865,237.49)
NetPP6_1: PP6.1 RB79.1 RS79.1 | length 53.3
  Top Layer w0.152: RS79.1@201.46,242.57 v1(202.565,242.57) RB79.1@203.82,242.57
  L4 w0.152: PP6.1@197.307,194.516 197.307,213.182 200.025,215.9 200.025,241.3 201.295,242.57 v1(202.565,242.57)
NetPP7_1: PP7.1 RB131.1 RS131.1 | length 48.3
  Top Layer w0.152: PP7.1@208.559,194.516 221.615,207.572 221.615,234.785 RS131.1@221.78,234.95 RB131.1@224.14,234.95
NetPP8_1: PP8.1 RB107.1 RS107.1 | length 57.2
  Top Layer w0.152: RS107.1@140.5,237.49 RB107.1@142.86,237.49
  L2 w0.152: v1(141.605,237.49) 141.605,215.9 146.673,210.832 PP8.1@146.673,184.772
NetPP9_1: PP9.1 RB20.1 RS20.1 | length 75.3
  Top Layer w0.152: RS20.1@160.82,255.27 RB20.1@163.18,255.27
  Bottom Layer w0.152: PP9.1@157.925,184.772 159.385,186.232 159.385,254 160.655,255.27 v1(161.925,255.27)
NetPP10_1: PP10.1 RB63.1 RS63.1 | length 67.5
  Top Layer w0.152: RB63.1@168.29,247.65 RS63.1@170.65,247.65
  L5 w0.152: PP10.1@169.177,184.772 172.085,187.68 172.085,245.11 v1(169.545,247.65)
NetPP11_1: PP11.1 RB6.1 RS6.1 | length 86.6
  Top Layer w0.152: RS6.1@181.14,265.43 v1(182.245,265.43) RB6.1@183.5,265.43
  L4 w0.152: PP11.1@180.429,184.772 180.429,200.749 184.785,205.105 184.785,264.16 183.515,265.43 v1(182.245,265.43)
NetPP12_1: PP12.1 RB15.1 RS16.1 | length 84.6
  Top Layer w0.152: RS16.1@201.46,260.35 v1(202.565,260.35) RB15.1@203.82,260.35
  L6 w0.152: PP12.1@191.681,184.772 205.105,198.196 205.105,257.81 v1(202.565,260.35)
NetPP13_1: PP13.1 RB53.1 RS53.1 | length 73.6
  Top Layer w0.152: RB53.1@208.93,250.19 v1(210.185,250.19) RS53.1@211.29,250.19
  L6 w0.152: PP13.1@202.933,184.772 212.725,194.564 212.725,248.92 211.455,250.19 v1(210.185,250.19)
NetPP14_1: PP14.1 RB117.1 RS117.1 | length 64.7
  Top Layer w0.152: RB117.1@229.25,237.49 v1(230.505,237.49) RS117.1@231.61,237.49
  L2 w0.152: PP14.1@214.185,184.772 214.185,197.04 233.045,215.9 233.045,236.22 231.775,237.49 v1(230.505,237.49)
NetPP15_1: PP15.1 RB118.1 RS118.1 | length 62.4
  Top Layer w0.152: RS118.1@242.1,237.49 v1(243.205,237.49) RB118.1@244.46,237.49
  L2 w0.152: PP15.1@225.437,184.772 243.205,202.54 v1(243.205,237.49)
NetPP16_1: PP16.1 RB73.1 RS73.1 | length 79.4
  Top Layer w0.152: RB73.1@107.33,242.57 v1(108.585,242.57) RS73.1@109.69,242.57
  L5 w0.152: v1(108.585,242.57) 109.855,242.57 111.125,241.3 111.125,193.697 PP16.1@129.795,175.027
NetPP17_1: PP17.1 RB17.1 RS17.1 | length 88.4
  Top Layer w0.152: RB17.1@127.65,255.27 v1(128.905,255.27) RS17.1@130.01,255.27
  Bottom Layer w0.152: v1(128.905,255.27) 130.175,255.27 131.445,254 131.445,184.629 PP17.1@141.047,175.027
NetPP18_1: PP18.1 RB123.1 RS123.1 | length 63.1
  Top Layer w0.152: RB123.1@147.97,234.95 RS123.1@150.33,234.95 150.495,234.785 150.495,176.831 PP18.1@152.299,175.027
NetPP19_1: PP19.1 RB113.1 RS113.1 | length 68.4
  Top Layer w0.152: RS113.1@160.82,237.49 RB113.1@163.18,237.49
  L4 w0.152: v1(161.925,237.49) 161.925,215.9 167.005,210.82 167.005,187.96 163.551,184.506 PP19.1@163.551,175.027
NetPP20_1: PP20.1 RB5.1 RS5.1 | length 97.8
  Top Layer w0.152: RB5.1@168.29,265.43 v1(169.545,265.43) RS5.1@170.65,265.43
  L6 w0.152: v1(169.545,265.43) 168.275,265.43 167.005,264.16 167.005,192.405 174.803,184.607 PP20.1@174.803,175.027
NetPP21_1: PP21.1 RB129.1 RS129.1 | length 68.6
  Top Layer w0.152: PP21.1@186.055,175.027 186.055,187.96 194.945,196.85 194.945,209.55 188.595,215.9 188.595,234.935 RB129.1@188.61,234.95 RS129.1@190.97,234.95
NetPP22_1: PP22.1 RB11.1 RS12.1 | length 95.6
  Top Layer w0.152: RS12.1@201.46,262.89 v1(202.565,262.89) RB11.1@203.82,262.89
  L3 w0.152: PP22.1@197.307,175.027 194.31,178.024 194.31,210.185 200.025,215.9 200.025,261.62 201.295,262.89 v1(202.565,262.89)
NetPP23_1: PP23.1 RB68.1 RS68.1 | length 80.9
  Top Layer w0.152: RS68.1@221.78,247.65 v1(222.885,247.65) RB68.1@224.14,247.65
  L5 w0.152: PP23.1@208.559,175.027 211.455,177.923 211.455,207.01 220.345,215.9 220.345,245.11 v1(222.885,247.65)
NetPP24_1: PP24.1 RB27.1 RS27.1 | length 89.9
  Top Layer w0.152: RB27.1@229.25,255.27 v1(230.505,255.27) RS27.1@231.61,255.27
  Bottom Layer w0.152: PP24.1@219.811,175.027 219.811,202.666 233.045,215.9 233.045,254 231.775,255.27 v1(230.505,255.27)
NetPP25_1: PP25.1 RB119.1 RS119.1 | length 75.9
  Top Layer w0.152: RB119.1@249.57,237.49 v1(250.825,237.49) RS119.1@251.93,237.49
  L2 w0.152: PP25.1@231.063,175.027 253.365,197.329 253.365,236.22 252.095,237.49 v1(250.825,237.49)
NetPP26_1: PP26.1 RB135.1 RS135.1 | length 70.6
  Top Layer w0.152: PP26.1@242.315,175.027 262.255,194.967 262.255,234.785 RS135.1@262.42,234.95 RB135.1@264.78,234.95
NetPP27_1: PP27.1 RB89.1 RS89.1 | length 83.5
  Top Layer w0.152: RB89.1@107.33,240.03 v1(108.585,240.03) RS89.1@109.69,240.03
  L3 w0.152: v1(108.585,240.03) 109.855,240.03 111.125,238.76 111.125,185.713 PP27.1@128.852,167.986
NetPP28_1: PP28.1 RB112.1 RS112.1 | length 77.3
  Top Layer w0.152: RB112.1@127.65,237.49 v1(128.905,237.49) RS112.1@130.01,237.49
  L2 w0.152: v1(128.905,237.49) 128.905,182.245 135.421,175.729 PP28.1@135.421,165.283
NetPP29_1: PP29.1 RB122.1 RS122.1 | length 75.7
  Top Layer w0.152: RS122.1@140.5,234.95 RB122.1@142.86,234.95 142.875,234.935 142.875,215.9 146.685,212.09 146.685,191.77 144.145,189.23 144.145,167.811 PP29.1@146.673,165.283